# Altium PCB Rus.PcbDoc (part 2 of 2)
Units mm, origin at the board's own origin, x right, y up, seen from the top; angles counter-clockwise.
Board outline 112 x 76 mm, 4 copper layers (Top Layer, L2_GND, L3_PWR, Bottom Layer), stack 2.114 mm thick; 111 components, 58 nets, 348 pads, 197 vias.
Unrouted connection lines stored in the file: 1.
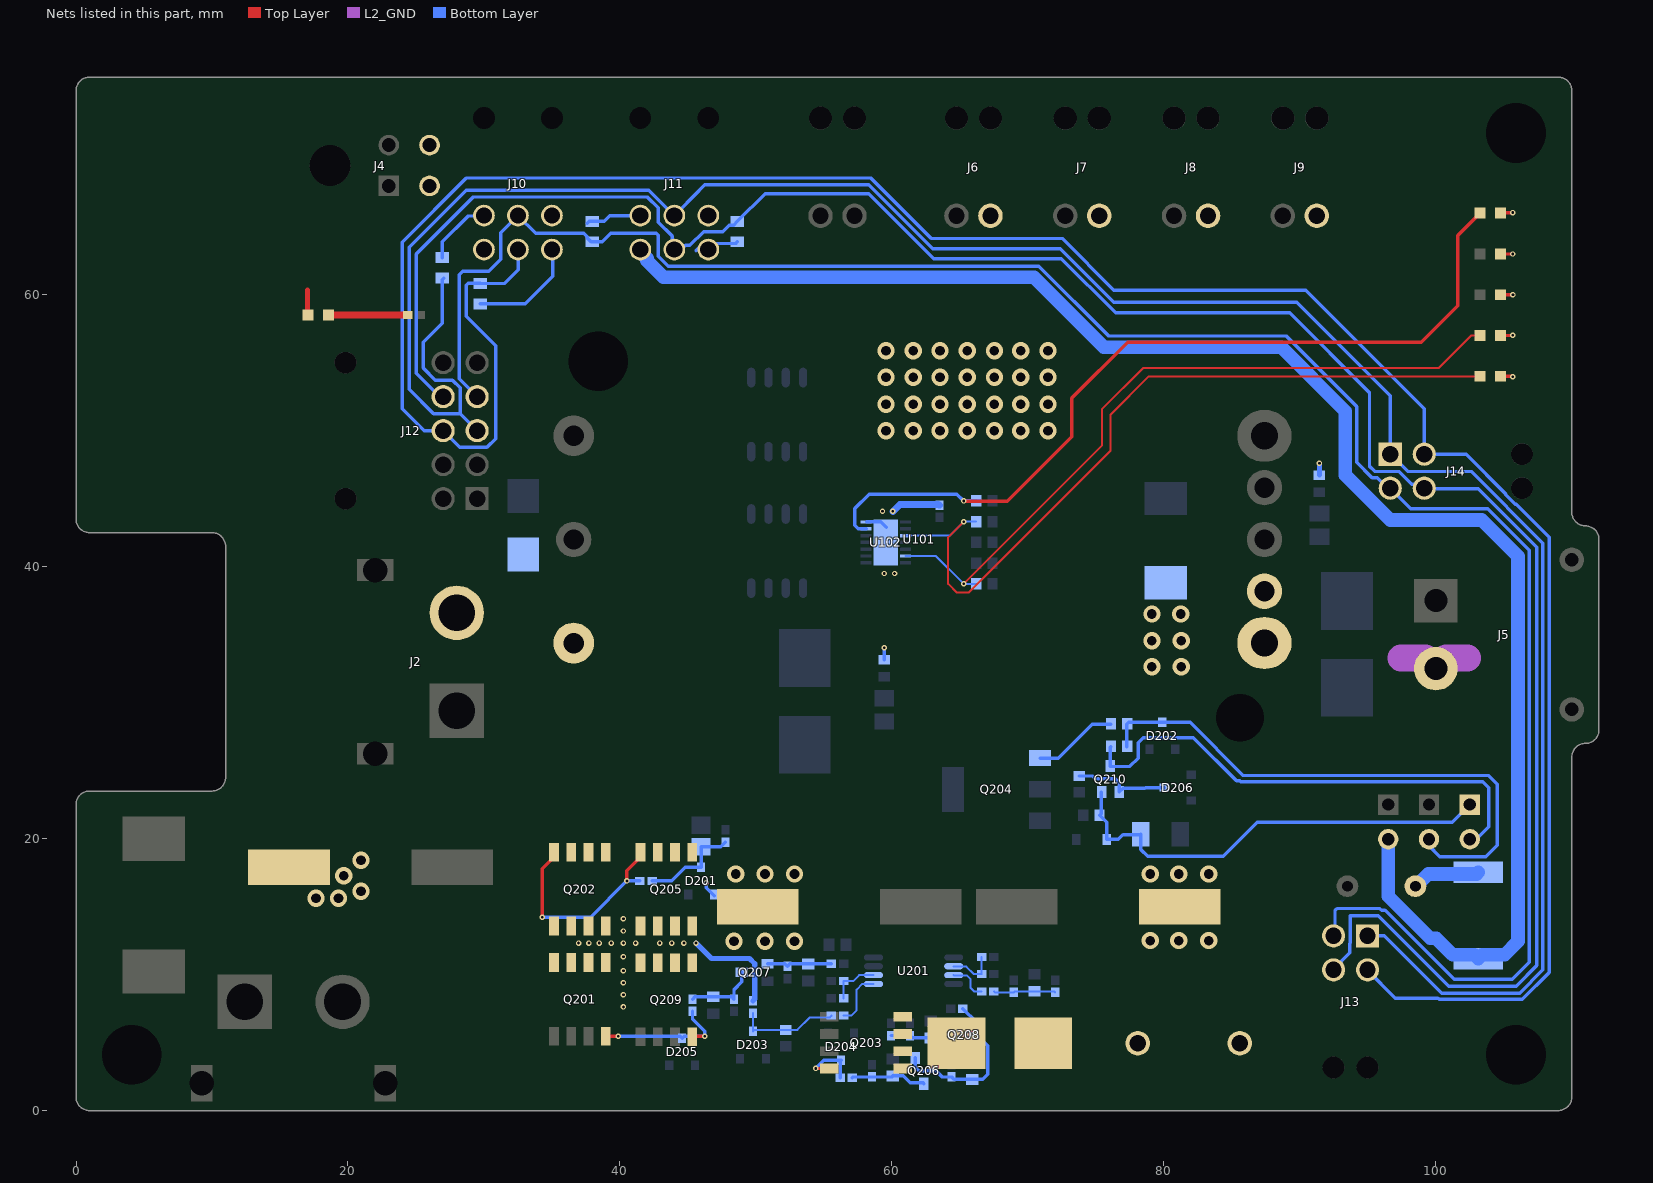
[diagram p4: the nets of this part, all layers, seen from the top]

## Via types
v1: diameter 1.27, hole 0.711, Top Layer to Bottom Layer, 137 vias
v2: diameter 0.4, hole 0.2, Top Layer to Bottom Layer, 60 vias

## Nets (pads, with @x,y where several pads share a name; then routed paths per layer and width w, separated by ;. In a path a pad name is that pad's centre, name@x,y a point inside that pad or via, vN(x,y) a via of type N, cw(c..) or ccw(c..) an arc to the next point about the centre after c; other vN are vias at no path point) (continued)
GND: C103.2 D101.2 D104.1 D105.1 D106.1 D107.1 D108.1 D201.1 J2.2 J5.2 Q202.1 Q202.2 Q202.3 Q205.1 Q205.2 Q205.3 R111.1 R112.1 R113.1 U101.3 U102.7 U102.15 | length 18.3
  Top Layer w0.25: D108.1@104.75,66 104.79,66.04 v2(105.664,66.04) ; D104.1@104.765,54 105.639,54 v2(105.664,53.975) ; D105.1@104.765,57 105.641,57 v2(105.664,57.023) ; D106.1@104.765,60 v2(105.671,60) ; D107.1@104.79,62.992 v2(105.664,62.992)
  L2_GND w2: 97.437,33.274 99.226,33.274 J5.2@100,32.5 100.774,33.274 102.33,33.274
  Bottom Layer w0.25: v2(46.355,16.764) 46.355,16.375 D201.1@46.924,15.806 ; U102.7@58.148,43.3 59.189,43.3 U102.15@59.6,42.889 ; R111.1@59.436,33.137 v2(59.436,34.036)
  Bottom Layer w0.35: R112.1@91.44,46.726 v2(91.44,47.613)
  Bottom Layer w0.508: v2(60.071,44.069) 60.579,44.577 63.442,44.577 R113.1@63.5,44.519
  other v1: 17.653,15.621 19.304,15.621 20.955,16.129 19.685,17.272 20.955,18.415
  other v2: 59.436,39.497 60.198,39.497 59.309,44.069
GND24: C101.2 C102.2 D102.1 J4.3 J4.4 J6.2 J7.2 J8.2 J9.2 J10.6 J11.6 RV101.1 U101.4 U101.5 | length 1.8
  Top Layer w0.35: D102.1@17.018,58.552 17.018,60.355
  other v1: 48.387,12.446 50.673,12.446 52.832,12.446 79,12.5 81.1,12.5 83.3,12.5 48.514,17.399 50.673,17.399 52.832,17.399 79,17.4 81.1,17.4 83.3,17.4 79.121,32.639 81.28,32.639 79.121,34.544 81.28,34.544 79.121,36.521 81.233,36.521 59.569,49.994 61.569,49.994 63.538,49.994 65.538,49.994 67.538,49.994 69.475,49.994 71.475,49.994 59.569,51.948 61.569,51.948 63.538,51.948 65.538,51.948 67.538,51.948 69.475,51.948 71.475,51.948 59.569,53.931 61.569,53.931 63.538,53.931 65.538,53.931 67.538,53.931 69.475,53.931 71.475,53.931 59.569,55.885 61.569,55.885 63.538,55.885 65.538,55.885 67.538,55.885 69.475,55.885 71.475,55.885
LED1_N: J10.4 R3.2 | length 5
  Bottom Layer w0.25: R3.2@26.924,62.726 26.924,63.881 28.829,65.786 J10.4@29.972,65.786
LED1_P: J10.3 R1.1 | length 8.1
  Bottom Layer w0.25: R1.1@29.718,59.321 33.032,59.321 35.052,61.341 J10.3@35.052,63.246
LED2_N: J11.4 R4.2 | length 4.1
  Bottom Layer w0.254: R4.2@37.592,65.254 37.743,65.405 38.843,65.405 39.258,65.82 J11.4@41.495,65.82
LED2_P: J11.3 R2.1 | length 3.3
  Bottom Layer w0.254: 45.593,63.246 46.113,63.766 48.514,63.766 R2.1@48.641,63.893
NetC202_1: C202.1 R205.1 R209.2 R211.2 | length 4.6
  Bottom Layer w0.15: R209.2@67.506,8.763 67.575,8.694 R211.2@68.961,8.694 69.04,8.773 C202.1@70.485,8.773 71.93,8.773 R205.1@72.009,8.694
NetC203_2: C203.2 D207.2 P3.1 Q210.3 R228.1 | length 33.5
  Bottom Layer w0.25: Q210.3@75.396,23.407 75.396,21.837 R228.1@75.276,21.717 75.788,21.204 D207.2@75.788,19.939 76.639,19.939 76.993,20.293 C203.2@78.279,20.293 ; C203.2@78.306,20.32 78.3,20.314 78.3,19.2 78.8,18.7 84.359,18.7 86.868,21.209 101.209,21.209 P3.1@102.5,22.5
NetC206_1: C206.1 Q206.1 Q208.2 R216.2 R219.1 | length 12.1
  Bottom Layer w0.25: Q206.1@61.707,3.871 61.707,3.19 61.976,2.921 63.246,2.921 63.696,2.471 R216.2@64.389,2.471 64.564,2.296 C206.1@65.913,2.296 66.685,2.296 67.056,2.667 67.056,4.76 Q208.2@66.228,5.588 66.228,6.485 R219.1@65.22,7.493
NetC207_1: C207.1 Q207.1 R217.2 R220.1 | length 4.9
  Bottom Layer w0.25: Q207.1@50.861,10.81 52.124,10.81 R217.2@52.324,10.61 52.499,10.785 C207.1@53.848,10.785 53.858,10.795 R220.1@55.557,10.795
NetC208_2: C208.2 Q206.2 R221.2 R223.1 | length 5.6
  Bottom Layer w0.25: R221.2@57.092,2.413 57.15,2.471 R223.1@58.547,2.471 59.992,2.471 C208.2@60.071,2.55 60.823,2.55 61.341,2.032 62.296,2.032 Q206.2@62.357,1.971
NetC209_2: C209.2 Q207.2 R222.2 R224.1 | length 5.4
  Bottom Layer w0.25: R222.2@45.339,8.197 45.514,8.372 C209.2@46.863,8.372 48.212,8.372 R224.1@48.387,8.197 48.387,8.89 48.961,9.464 Q207.2@48.961,10.16
NetC210_1: C210.1 Q208.1 R226.2 R227.1 | length 4.6
  Bottom Layer w0.25: R227.1@59.944,5.519 R226.2@61.341,5.519 61.516,5.344 C210.1@62.865,5.344 63.271,4.938 Q208.1@64.328,4.938
NetD102_2: D102.2 R108.1 | length 5.8
  Top Layer w0.5: D102.2@18.57,58.5 R108.1@24.405,58.5
NetD202_3: D202.3 P2.2 R218.1 R225.2 | length 41
  Bottom Layer w0.25: R218.1@77.281,26.77 R225.2@77.281,28.421 ; R225.2@77.308,28.448 77.419,28.559 D202.3@79.883,28.559 81.931,28.559 85.852,24.638 103.886,24.638 104.521,24.003 104.521,19.521 103.669,18.669 100.291,18.669 P2.2@99.5,19.46
NetD203_3: D203.3 R207.1 R210.2 R213.2 | length 7.6
  Bottom Layer w0.15: R207.1@49.784,7.17 D203.3@49.784,5.826 49.892,5.934 R213.2@52.197,5.934 53.051,5.934 53.975,6.858 55.43,6.858 R210.2@55.557,6.985
NetD206_3: D206.3 Q210.1 R204.2 | length 7.3
  Bottom Layer w0.25: R204.2@73.787,24.603 74.783,24.603 74.973,24.413 76.425,24.413 76.723,24.115 Q210.1@76.723,23.434 77.003,23.714 78.613,23.714 78.648,23.749 D206.3@80.026,23.749
NetF2_2: F2.2 RT201.1 | length 0
  Top Layer w0.25: RT201.1@78.089,4.953 RT201.1@78.105,4.953
NetP3_2: P3.2 Q210.2 R218.2 | length 37.3
  Bottom Layer w0.25: R218.2@76.081,26.77 76.046,26.735 76.046,25.307 77.504,25.307 78.105,25.908 78.105,27.051 78.486,27.432 82.169,27.432 85.344,24.257 85.592,24.257 85.664,24.185 103.45,24.185 103.9,23.735 103.9,20.86 P3.2@102.5,19.46
NetQ204_1: Q204.1 R225.1 | length 6.2
  Bottom Layer w0.25: Q204.1@70.891,25.922 72.222,25.922 74.721,28.421 R225.1@76.081,28.421
NetR5_1: R5.1 RT1.2 | length 5
  Bottom Layer w1: RT1.2@98.542,16.5 99.441,17.399 103.005,17.399 R5.1@103.124,17.518
PC_G: D204.3 Q203.4 R221.1 | length 4.4
  Top Layer w0.25: v2(54.4,3.1) 54.405,3.095 Q203.4@55.386,3.095
  Bottom Layer w0.25: v2(54.4,3.1) 54.999,3.699 D204.3@56.261,3.699 56.192,3.63 R221.1@56.192,2.413
PC_MID: F2.1 Q203.5 Q203.6 Q203.7 Q203.8
PRECHARGE: Q201.5 Q201.6 Q201.7 Q201.8 Q202.5 Q202.6 Q202.7 Q202.8 Q205.5 Q205.6 Q205.7 Q205.8 Q209.5 Q209.6 Q209.7 Q209.8 R207.2 RT201.2 | length 7.7
  Bottom Layer w0.381: v2(45.593,12.319) 46.736,11.176 49.53,11.176 49.911,10.795 49.911,8.197 R207.2@49.784,8.07
  other v2: 40.259,7.62 40.259,8.509 40.259,9.398 40.259,10.287 40.259,11.303 36.957,12.319 37.719,12.319 38.481,12.319 39.37,12.319 40.259,12.319 41.148,12.319 42.926,12.319 43.815,12.319 44.704,12.319 40.259,13.208 40.259,14.097
PT_+: R210.1 U201.5 | length 4
  Bottom Layer w0.15: R210.1@56.457,6.985 57.023,6.985 57.404,7.366 57.404,8.89 57.826,9.312 U201.5@58.645,9.312
PT_-: R208.1 R214.2 U201.6 | length 3.6
  Bottom Layer w0.15: R214.2@56.457,8.255 R208.1@56.457,9.525 57.15,9.525 57.587,9.962 U201.6@58.645,9.962
PT_G: D205.3 Q201.4 Q209.4 R222.1 | length 10.6
  Top Layer w0.25: Q201.4@38.989,5.29 39.16,5.461 v2(39.878,5.461) ; Q209.4@45.339,5.366 45.434,5.461 v2(46.228,5.461)
  Bottom Layer w0.25: v2(39.878,5.461) 44.434,5.461 D205.3@44.577,5.318 44.72,5.461 v2(46.228,5.461) 46.228,5.842 45.339,6.731 R222.1@45.339,7.297
PWRFLT1: D105.2 R104.1 U102.13 | length 53.1
  Top Layer w0.15: v2(65.278,38.735) 75.438,48.895 75.438,51.562 78.486,54.61 100.203,54.61 102.593,57 D105.2@103.25,57
  Bottom Layer w0.15: U102.13@61.015,40.783 63.23,40.783 v2(65.278,38.735) R104.1@66.202,38.735
PWRFLT2: D104.2 R102.1 U102.10 | length 58.2
  Top Layer w0.15: v2(65.278,43.307) 64.135,42.164 64.135,38.735 64.77,38.1 65.659,38.1 76.073,48.514 76.073,51.181 78.892,54 D104.2@103.25,54
  Bottom Layer w0.15: U102.10@61.015,42.283 64.254,42.283 v2(65.278,43.307) R102.1@66.202,43.307
RC_+: R209.1 U201.3 | length 2.9
  Bottom Layer w0.15: U201.3@64.545,9.962 64.565,9.942 65.496,9.942 65.786,9.652 65.786,9.017 66.04,8.763 R209.1@66.606,8.763
RC_-: R206.1 R212.2 U201.2 | length 3.6
  Bottom Layer w0.15: U201.2@64.545,10.612 64.565,10.592 65.481,10.592 66.04,10.033 R212.2@66.606,10.033 R206.1@66.606,11.303
RTN1: J11.5 J12.3 J13.1 J14.1 R3.1 | length 176.6
  Bottom Layer w0.25: R3.1@27.051,61.214 26.924,61.087 26.924,57.912 25.527,56.515 25.527,54.61 26.416,53.721 27.686,53.721 28.243,53.164 28.243,51.257 ; J12.3@29.5,50 28.243,51.257 ; 105.791,8.634 105.793,8.632 106.168,8.632 107.878,10.342 107.878,41.728 102.606,47 97.92,47 J14.1@96.65,48.27 96.65,52.575 89.789,59.436 76.327,59.436 72.39,63.373 62.998,63.373 58.299,68.072 46.228,68.072 45.842,67.686 45.842,67.662 J11.5@44,65.82 42.129,67.691 28.702,67.691 24.511,63.5 24.511,53.035 26.289,51.257 28.243,51.257
  Bottom Layer w0.254: J13.1@94.615,12.85 94.592,12.85 J13.1@94.742,12.7 ; J13.1@94.742,12.85 J13.1@94.98,12.85 96.213,12.85 100.429,8.634 105.791,8.634
RTN2: J10.5 J12.4 J13.2 J14.2 R4.1 | length 154.4
  Bottom Layer w0.25: J12.4@29.5,52.5 28.194,53.806 28.194,61.468 28.448,61.722 30.353,61.722 31.242,62.611 31.242,64.562 J10.5@32.5,65.82 33.804,64.516 37.35,64.516 37.598,64.268 37.598,64.168 37.873,63.893 R4.1@37.973,63.893 ; R4.1@37.973,63.905 38.711,63.905 39.322,64.516 42.675,64.516 42.821,64.37 42.821,62.832 43.55,62.103 70.796,62.103 75.936,56.962 88.989,56.962 94.173,51.778 94.173,47.68 95.306,46.547 95.694,46.547 96.471,45.77 J14.2@96.65,45.77 98.158,44.262 103.814,44.262 106.862,41.214 106.862,41.121 106.873,41.11 106.873,10.913 105.612,9.652 101.346,9.652 96.266,14.732 96.018,14.732 95.891,14.859 92.729,14.859 92.583,14.713 92.583,12.953 J13.2@92.48,12.85
STO1: J10.2 J12.8 J13.3 J14.3 R1.2 | length 184.7
  Bottom Layer w0.25: R1.2@29.718,60.821 31.484,60.821 32.512,61.849 J10.2@32.512,63.246 ; R1.2@29.718,60.833 28.848,60.833 28.702,60.687 28.702,58.42 30.861,56.261 30.861,49.403 30.226,48.768 28.232,48.768 J12.8@27,50 25.6,50 24.003,51.597 24.003,63.868 28.715,68.58 58.432,68.58 62.877,64.135 72.517,64.135 76.327,60.325 90.424,60.325 99.15,51.599 J14.3@99.15,48.27 102.225,48.27 105.151,45.344 105.151,45.282 105.842,44.591 105.904,44.591 108.331,42.164 108.331,10.154 106.356,8.179 100.24,8.179 100.164,8.255 97.028,8.255 94.98,10.303 J13.3@94.98,10.35
STO2: J11.2 J12.9 J13.4 J14.4 R2.2 | length 165.7
  Bottom Layer w0.25: J12.9@27,52.5 26.748,52.5 25.019,54.229 25.019,62.992 29.21,67.183 42.018,67.183 42.821,66.38 42.821,65.332 43.835,64.317 43.835,63.944 44.136,63.643 44.323,63.643 J11.2@44,63.32 ; J11.2@44.323,63.578 44.773,63.578 44.821,63.627 45.14,63.627 46.154,64.641 47.556,64.641 48.033,65.118 48.366,65.118 R2.2@48.641,65.393 50.685,67.437 58.293,67.437 63.074,62.656 72.466,62.656 76.448,58.674 89.253,58.674 95.123,52.804 95.123,47.371 95.494,47 97.272,47 98.225,46.047 98.873,46.047 99.2,45.72 103.124,45.72 107.425,41.419 107.425,10.668 105.901,9.144 100.965,9.144 95.775,14.334 93.709,14.334 93.709,12.341 93.658,12.29 93.658,11.616 92.48,10.438 J13.4@92.48,10.35
VCAP_RP: C201.1 D201.3 R201.1 R202.1 | length 7.5
  Bottom Layer w0.25: R202.1@42.36,16.891 43.815,16.891 44.815,17.891 D201.3@45.974,17.891 C201.1@45.974,19.393 47.402,19.393 R201.1@47.752,19.743
VDD_24_STO: J10.1 J11.1 P1.2 R5.2 | length 121
  Bottom Layer w1: J11.1@41.275,63.373 41.285,63.373 41.993,62.665 41.993,62.489 43.207,61.275 70.452,61.275 75.593,56.134 88.646,56.134 93.345,51.435 93.345,46.736 96.647,43.434 103.378,43.434 106.045,40.767 106.045,12.446 105.067,11.468 103.424,11.468 R5.2@103.124,11.168 102.824,11.468 101.232,11.468 100.02,12.68 99.588,12.68 96.5,15.768 P1.2@96.5,19.46
VDSFLT: D108.2 R107.1 U102.6 | length 63.2
  Top Layer w0.254: v2(65.278,44.831) 65.309,44.8 68.473,44.8 73.229,49.556 73.229,52.401 77.343,56.515 98.933,56.515 101.6,59.182 101.6,64.35 D108.2@103.25,66
  Bottom Layer w0.254: U102.6@58.111,42.783 57.524,42.783 57.277,43.03 57.277,44.277 58.339,45.339 64.77,45.339 v2(65.278,44.831) R107.1@66.202,44.831
VGATE_RP: Q202.4 Q205.4 R202.2 | length 15.9
  Top Layer w0.25: v2(34.29,14.224) 34.29,17.78 35.149,18.639 Q202.4@35.149,18.997 ; v2(40.513,16.891) 40.513,17.653 41.514,18.654 Q205.4@41.514,18.997
  Bottom Layer w0.25: v2(34.29,14.224) 37.846,14.224 v2(40.513,16.891) R202.2@41.46,16.891
pads on no net: 2.1 D201.2 D202.2 D203.2 D204.2 D205.2 D206.2 J1.21 J2.21 J3.SH J4.M1 J5.21 J6.SH J7.SH J8.SH J9.SH J10.14 J10.15 J11.14 J11.15 J12.1 J12.2 J12.5 J12.6 J12.7 J12.10 J12.11 J12.12 J13.5 J13.6 J14.5 J14.6 MP1.1 MP3.1 MP4.1 U101.0 U101.2 U101.6

## Polygon pours and split planes (outlines as drawn)
NetF2_2 on Top Layer "Pol_NetF2_2" (solid, pour order 148): 69.4,8 79.5,8 80,7.518 80,2.482 79.5,2 69.4,2
PC_MID on Top Layer "NONET_L-01_P-001" (solid, pour order 147): 56.9,7.5 57.4,8 66.5,8 66.982,7.518 66.982,2.482 66.5,2 57.4,2 56.9,2.5
GND24 on Top Layer "NONET_L-01_P-001" (solid, pour order 159): 55.88,57.785 55.88,50.165 56.769,49.276 71.755,49.276 72.39,49.911 72.39,52.959 76.581,57.15 98.425,57.15 100.33,59.055 100.33,74.803 99.695,75.438 16.256,75.438 15.24,74.422 15.24,60.96 16.256,59.944 53.721,59.944
48V on Top Layer "NONET_L-01_P-001" (solid, pour order 130): 12.827,20.193 24.257,20.193 26.416,22.352 33.528,22.352 34.163,22.987 34.163,31.496 33.02,32.639 12.954,32.639 11.938,31.623 11.938,23.749 10.668,22.479 1.508,22.479 1,21.971 1,15.764 1.524,15.24 11.176,15.24 11.811,15.875 11.811,19.177
BAT+_RAW on Top Layer "NONET_L-01_P-001" (solid, pour order 128): 15.875,5.08 15.24,4.445 7.747,4.445 5.08,7.112 2.159,7.112 1,8.271 1,13.573 1.524,14.097 12.7,14.097 12.954,13.843 15.24,13.843 15.875,13.208
24V on Top Layer "NONET_L-01_P-001" (solid, pour order 156): 90.17,43.815 90.805,44.45 90.805,51.943 90.17,52.578 79.248,52.578 77.47,50.8 77.47,45.212 78.867,43.815
BAT- on Top Layer "NONET_L-01_P-001" (solid, pour order 146): 43.053,5.969 44.196,5.969 44.45,5.715 44.45,4.699 44.704,4.445 45.974,4.445 46.482,4.953 46.482,10.414 46.99,10.922 56,10.922 83.947,10.922 84.836,11.811 84.836,18.034 84.074,18.796 82.042,18.796 81.788,19.05 81.788,20.193 82.042,20.447 84.582,20.447 86.36,18.669 86.36,10.287 84.582,8.509 56.896,8.509 56,7.493 56,4 54.356,4 53.975,3.556 53.975,1.27 53.34,0.635 25.146,0.635 24.384,1.397 24.384,3.556 23.749,4.191 23.749,4.95 25.912,7.112 33.528,7.112 34.544,6.096 37.719,6.096 38.1,5.715 38.1,4.699 38.354,4.445 39.751,4.445 40.386,5.08 40.386,5.715 40.64,5.969 41.529,5.969
PRECHARGE on Top Layer "NONET_L-01_P-001" (solid, pour order 125): 45.847,16.256 34.795,16.256 34.795,6.985 45.847,6.985
FETSOURCE2 on Top Layer "NONET_L-01_P-001" (solid, pour order 157): 84.963,21.463 85.979,20.447 91.313,20.447 95.123,24.257 96.012,24.257 97.155,25.4 97.155,29.21 96.52,29.845 78.105,29.845 73.914,34.036 62.992,34.036 52.197,44.831 52.197,49.022 53.975,50.8 53.975,57.15 52.705,58.42 47.625,58.42 45.085,55.88 45.085,40.821 48.641,37.185 48.641,33.909 61.087,21.463
GND24 on Top Layer "NONET_L-01_P-001" (solid, pour order 142): 46.863,12.192 47.255,11.8 53.583,11.8 54.102,12.319 54.102,17.526 53.528,18.1 47.31,18.1 46.863,17.653
BAT- on Top Layer "NONET_L-01_P-001" (solid, pour order 123): 44.45,6.013 44.45,2.413 44.069,2.032 41.467,2.032 41.148,2.351 41.148,6.013 41.848,6.013 41.848,5.313 42.448,5.313 42.448,6.013 43.048,6.013 43.048,5.313 43.748,5.313 43.748,6.013
48V_OUT on Top Layer "NONET_L-01_P-001" (solid, pour order 126): 24.511,18.923 26.924,21.336 32.512,21.336 33.147,20.701 33.147,15.748 32.512,15.113 24.892,15.113 24.511,15.494
24V on Top Layer "NONET_L-01_P-001" (solid, pour order 145): 65.059,12.4 65.659,11.8 72.959,11.8 73.559,12.4 73.559,17.5 72.959,18.1 65.659,18.1 65.059,17.5
24V on Top Layer "NONET_L-01_P-001" (solid, pour order 144): 58.928,12.319 59.447,11.8 65.7,11.8 66.3,12.4 66.3,17.5 65.7,18.1 59.375,18.1 58.928,17.653
GND24 on Top Layer "NONET_L-01_P-001" (solid, pour order 155): 90.17,40.132 90.805,39.497 90.805,32.385 90.17,31.75 78.74,31.75 77.47,33.02 77.47,38.989 78.613,40.132
GND24 on Top Layer "NONET_L-01_P-001" (solid, pour order 143): 77,12.4 77.6,11.8 83.555,11.8 84.201,12.446 84.201,17.526 83.627,18.1 77.6,18.1 77,17.5
BAT- on Top Layer "NONET_L-01_P-001" (solid, pour order 129): 18.161,4.064 23.876,4.064 24.257,3.683 32.766,3.683 33.909,4.826 33.909,13.589 33.398,14.1 17.529,14.1 16.891,13.462 16.891,5.334
GND on Top Layer "NONET_L-01_P-001" (solid, pour order 127): 12.762,19.177 21.336,19.177 21.717,18.796 21.717,15.24 21.336,14.859 13.462,14.859 12.762,15.559
BAT- on Top Layer "NONET_L-01_P-001" (solid, pour order 124): 38.1,6.06 38.1,2.546 37.514,1.96 35.314,1.96 34.798,2.476 34.798,6.06 35.514,6.06 35.514,5.36 36.114,5.36 36.114,6.06 36.714,6.06 36.714,5.36 37.414,5.36 37.414,6.06
GND on Top Layer "NONET_L-01_P-001" (solid, pour order 122): 46.355,18.288 47.625,19.558 47.625,36.703 44.069,40.259 44.069,44.323 43.434,44.958 32.639,44.958 30.988,43.307 25.146,43.307 24.257,42.418 24.257,34.544 25.146,33.655 33.528,33.655 35.179,32.004 35.179,20.955 36.703,19.431 40.005,19.431 40.894,20.32 42.037,20.32 42.418,19.939 42.418,18.288
GND on Top Layer "NONET_L-01_P-001" (solid, pour order 121): 39.896,18.288 40.513,18.905 40.513,21.209 38.735,22.987 36.576,22.987 36.068,22.479 36.068,18.288 37.995,18.288
48V_IN_2 on Bottom Layer "NONET_L-01_P-001" (solid, pour order 141): 94.46,42.7 95.66,41.5 102.136,41.5 103.886,39.754 103.886,35.886 102.925,34.925 91.186,34.925 90.7,35.411 90.7,42.3 91.1,42.7
FETSOURCE2 on Bottom Layer "NONET_L-01_P-001" (solid, pour order 140): 90.17,32.131 91.313,33.274 96.647,33.274 97.282,32.639 97.282,26.035 96.647,25.4 90.805,25.4 90.17,26.035
48V on Bottom Layer "NONET_L-01_P-001" (solid, pour order 137): 68.199,23.114 71.628,23.114 71.628,24.257 68.58,24.257 63.837,29 50.082,29 49.53,28.448 49.53,26.156 48.895,25.535 48.895,21.209 49.784,20.32 65.405,20.32
FETSOURCE1 on Bottom Layer "NONET_L-01_P-001" (solid, pour order 135): 56.5,31.8 55.9,31.2 51.1,31.2 50.6,31.7 50.6,38.8 51.1,39.3 55,39.3 56.5,37.8
BAT- on Bottom Layer "NONET_L-01_P-001" (solid, pour order 172): 80.518,26.924 80.518,25.146 80.899,24.765 80.899,23.114 80.645,22.86 79.502,22.86 78.232,22.86 78.232,22.225 78.486,21.971 80.264,21.971 80.645,21.59 80.645,19.558 81.026,19.177 83.566,19.177 83.82,19.431 83.82,24.638 81.534,26.924
48V_OUT on Bottom Layer "NONET_L-01_P-001" (solid, pour order 131): 29.845,16.129 30.734,15.24 37.211,15.24 48.5,26.529 48.5,39.991 51.009,42.5 54.057,42.5 54.61,43.053 54.61,50.419 54.029,51 32,51 31.5,50.5 31.5,44.5 32,44 37.661,44 40.005,41.656 40.005,30.861 29.845,20.701
BAT- on Bottom Layer "NONET_L-01_P-001" (solid, pour order 133): 24.003,4 24.384,3.619 24.384,1.397 25.146,0.635 42.037,0.635 42.418,1.016 42.418,4.318 41.91,4.826 39.37,4.826 38.989,5.207 38.989,11.049 38.227,11.811 34.798,11.811 32.506,14.103 17.532,14.103 16.891,13.462 16.891,5.334 18.225,4
48V on Bottom Layer "NONET_L-01_P-001" (solid, pour order 171): 19.558,19.304 27.051,19.304 34.163,26.416 34.163,31.496 33.02,32.639 12.954,32.639 11.938,31.623 11.938,23.749 10.668,22.479 1.905,22.479 1,21.574 1,15.764 1.651,15.113 15.367,15.113
48V_OUT on Bottom Layer "NONET_L-01_P-001" (solid, pour order 154): 68.58,45.212 69.084,44.704 69.084,36.572 68.707,36.195 67.437,36.195 67.056,36.576 67.056,45.212
GND24 on Bottom Layer "NONET_L-01_P-001" (solid, pour order 167): 58.547,46.99 59.309,46.228 69.215,46.228 70.104,45.339 70.104,31.877 71.12,30.861 87.376,30.861 89.535,33.02 89.535,38.862 88.265,40.132 80.518,40.132 77.343,43.307 77.343,52.197 71.755,57.785 59.436,57.785 58.547,56.896
GND on Bottom Layer "NONET_L-01_P-001" (solid, pour order 153): 58.801,44.577 59.055,44.831 60.198,44.831 60.452,44.577 60.452,38.989 60.198,38.735 59.055,38.735 58.801,38.989
24V on Bottom Layer "NONET_L-01_P-001" (solid, pour order 152): 88.773,43.815 90.17,45.212 90.17,51.181 88.773,52.578 79.248,52.578 78.232,51.562 78.232,44.45 78.867,43.815
11V3 on Bottom Layer "NONET_L-01_P-001" (solid, pour order 150): 71.501,21.59 71.755,21.336 71.755,19.431 71.247,18.923 68.453,18.923 67.945,19.431 67.945,20.701 68.834,21.59
GND on Bottom Layer "NONET_L-01_P-001" (solid, pour order 139): 33.528,33.655 25.146,33.655 24.257,34.544 24.257,41.148 25.146,42.037 37.211,42.037 38.989,40.259 38.989,32.639 38.354,32.004 35.179,32.004
48V on Bottom Layer "NONET_L-01_P-001" (solid, pour order 138): 25.6,26.4 25,27 25,31.7 25.6,32.3 33.012,32.3 33.612,31.7 33.612,26.9 33.112,26.4
FETSOURCE2 on Bottom Layer "NONET_L-01_P-001" (solid, pour order 136): 51.816,58.42 52.5,57.736 52.5,52.9 52.03,52.43 47.4,52.43 47,52.83 47,57.795 47.625,58.42
BAT+_RAW on Bottom Layer "NONET_L-01_P-001" (solid, pour order 134): 1.597,14.097 1,13.5 1,9.1 1.8,8.3 6.2,8.3 10,4.5 15.168,4.5 15.875,5.207 15.875,13.335 15.113,14.097 11.684,14.097
BAT- on L2_GND "NONET_L-01_P-001" (solid, pour order 168): 16.256,14.859 17.145,13.97 28.702,13.97 28.702,10.795 54.737,10.795 54.737,14.605 57.912,14.605 57.912,10.795 68.58,10.795 68.58,0.635 8.89,0.635 8.89,22.86 10.795,22.86 11.684,23.749 11.684,42.291 10.795,43.18 1.016,43.18 0.635,43.561 0.635,74.803 1.27,75.438 68.58,75.438 68.58,62.23 17.907,62.23 17.907,21.336 16.256,19.685
GND on L2_GND "NONET_L-01_P-001" (solid, pour order 158): 16.891,15.24 17.526,14.605 29.337,14.605 29.337,11.43 46.736,11.43 46.736,33.02 60.96,33.02 60.96,41.275 92.71,41.275 92.71,29.464 109.347,29.464 109.347,74.93 108.839,75.438 69.215,75.438 69.215,61.595 18.542,61.595 18.542,20.955 16.891,19.304
GND24 on L2_GND "NONET_L-01_P-001" (solid, pour order 160): 109.22,1.27 108.585,0.635 69.215,0.635 69.215,11.43 58.547,11.43 58.547,15.24 54.102,15.24 54.102,11.43 47.371,11.43 47.371,32.385 61.595,32.385 61.595,40.64 92.075,40.64 92.075,28.829 109.22,28.829
24V on L3_PWR "NONET_L-01_P-001" (solid, pour order 166): 1.651,44.069 1.27,44.45 1.27,74.041 1.905,74.676 108.585,74.676 108.585,8.255 77.47,8.255 77.47,22.86 67.564,22.86 67.564,18.415 72.39,18.415 72.39,11.938 57.658,11.938 57.658,30.988 44.577,44.069
48V on L3_PWR "NONET_L-01_P-001" (solid, pour order 164): 1.27,12.954 6.096,12.954 8.001,11.049 8.001,1.27 22.352,1.27 35.306,1.27 35.306,12.446 38.227,15.367 56.515,15.367 56.515,30.607 44.069,43.053 12.065,43.053 12.065,23.749 10.922,22.606 1.905,22.606 1.27,21.971
PRECHARGE on L3_PWR "NONET_L-01_P-001" (solid, pour order 163): 38.735,14.351 36.322,11.938 36.322,1.27 104.14,1.27 104.14,7.62 49.911,7.62 49.911,14.351
11V3 on L3_PWR "NONET_L-01_P-001" (solid, pour order 161): 50.546,14.097 50.546,11.303 50.546,8.255 76.835,8.255 76.835,22.225 68.199,22.225 68.199,19.05 73.025,19.05 73.025,11.303 56.896,11.303 56.896,14.097

## Keep-outs
Keep-Out Layer:
  the board outline again, w0.2

## Silkscreen, mask and mechanical layers (free items; w line width, h text height)
Top Overlay:
  lines w0.152: 50,59 50,59
  text "WSTO" at 37.338,75.182 h1.52 r270
  text "STO BUT" at 48.895,75.184 h1.52 r270
  text "BAT DC" at 59.563,75.184 h1.52 r270
  text "24V OUT" at 93.472,75.184 h1.52 r270
  text "NUC 24V" at 1.143,74.549 h1.52 r270
  text "VD" at 106.734,65.5 h1
  text "F1" at 107.067,62.5 h1
  text "F2" at 106.734,59.5 h1
  text "P1" at 107.067,56.5 h1
  text "STO OUT" at 1.016,54.737 h1.52 r270
  text "P2" at 106.734,53.5 h1
  text "48V OUT" at 11.303,37.846 h1.52 r270
  text "P1" at 96,24.8 h1 r270
  text "P2" at 99,24.8 h1 r270
  text "P3" at 102,24.8 h1 r270
  text "Rus" at 105.664,20.574 h1.6 r270
  text "SPARE STO" at 99.044,13.208 h1.4 r270
  text "BAT IN" at 24.254,9.633 h1.52 r270
Bottom Overlay:
  lines w0.152: 39.878,10.16 38.481,10.16 38.481,5.969 47.752,5.969 47.752,6.477 50.546,6.477 50.546,8.255 ; 40.767,10.16 44.958,10.16 44.958,9.144 48.895,9.144 ; 59.309,4.191 57.912,4.191 57.912,1.016 66.548,1.016 66.548,0.254 73.66,0.254 73.668,0.262 73.668,4.326 ; 59.436,4.572 60.706,4.572 ; 63.627,4.572 60.706,4.572 ; 65.532,8.382 63.373,8.382 63.373,7.493 60.706,7.493 60.706,7.112 60.706,4.572 ; 66.167,12.192 65.659,12.192 65.659,8.382 66.04,8.001 66.802,8.001 ; 68.453,11.811 78.359,11.811 ; 69.596,4.318 69.85,4.572 73.676,4.572 73.676,7.626 ; 69.723,7.874 72.644,7.874 72.644,7.626 80.772,7.626 80.772,11.557 80.518,11.811 79.756,11.811 ; 54.356,11.938 54.61,11.938 54.737,11.938 54.737,6.35 57.531,6.35 57.531,13.462 58.674,13.462 58.674,20.32 54.356,20.32 54.356,18.796 54.356,11.938
M6_OUTLINE:
  the board outline again, w0.2
M10_Fab_Note:
  text "Notes: (Unless Otherwise Specified) / 1. General Requirement: /    a. Fabricate to meet IPC-2221, IPC-6011, and IPC-6012 (latest revisions) Class 2, except / where otherwise specified. /    b. Board shall be electrically tested per current revision of IPC 6012 / and IPC 9252 class II. Completed electrical test Boards must be marked / in permanent non-conductive ink next to supplier UL recognition mark. / Use Net Tie Report (if supplied) for identifying deliberate shorts in netlist. /    c. Configuration of the printed circuit board not specifically dimensioned on the / drawing shall be controlled by the gerber data. /    d. PCB fabrication process and materials must be compliant with the Hazardous / Substances(ROHS) Directive and compatible with Pb Free assembly process. / 2. Controlled Impedance Nets: NONE / 3. Material /    a. FR4 based such as 370HR or equivalent. / 4. Surface Finish: /    a. ALL external metal finish not covered by soldermask shall be plate 118-250 / micro-inches of Electroless Nickel and 2 - 8 microinches of Immersion Gold (ENIG) / 5. Thieving pattern shall not be added to PCB unless explicitly approved. / 6. Layer to layer registration shall be within 0.15mm (0.005 in) of gerber data." at -2.159,89.916 h1.52
  text "7. Via: /    Tent vias per Gerber files. / 8. Drilling /    a. All hole symbols may not be shown in the drawing. See Drill chart for details. /    b. Diameters in the drill table are finished hole sizes with +/-0.003\" tolerance unless / otherwise specified in the drill table. / 9. Marking: /    a. Soldermask,photo-imaged liquid polymer on both sides of boards in accordance / with IPC-SM-840, Type B, Class 2, over bare copper. Soldermask color to be GREEN /    b. Component Marking: Silkscreen both sides with non-conductive epoxy ink. / Lands and exposed plated areas to be free of ink. Silk color to be WHITE /    c. Identification: Fab vendor logo and part number with current revision to be etched on the top side. / Silkscreen date code on solder side near part number. Supplier shall not add any text or marking in the copper. / 10. Nets intentionally shorted: / 11. Plating shall be ENIG per IPC-4552 (latest revision). / 12. The materials and process used to fabricate this part are to be consistent with the directive 2011/65/EU restriction of hazardous substances in electrical and electronics equipment (ROHS). the findished part to be accompanied by a / signed certificate of compliance to the directive 2011/65/EU. / 13. If any REACH SVHC’S are utilized in the materials and or process used to fabricate this part, the weight of the SVHC’S must be provided." at 137.541,81.238 h1.52
Drill Drawing:
  circle w0.254: c123.386,30.946 r0.847
  lines w0.254: 122.539,7.239 124.232,7.239 124.232,8.932 122.539,8.932 122.539,7.239 ; 122.539,41.952 122.962,41.952 122.962,41.529 123.809,41.529 123.809,41.952 124.232,41.952 124.232,42.799 123.809,42.799 123.809,43.222 122.962,43.222 122.962,42.799 122.539,42.799 122.539,41.952 ; 122.539,58.462 124.232,58.462 123.386,56.769 122.539,58.462
  lines w0.381: 121.02,6.096 345.848,6.096 ; 121.02,82.296 345.848,82.296 ; 135.012,2.286 135.012,86.106 ; 173.101,2.286 173.101,86.106 ; 191.74,2.286 191.74,86.106 ; 220.941,2.286 220.941,86.106 ; 248.873,2.286 248.873,86.106 ; 261.722,2.286 261.722,86.106 ; 295.596,2.286 295.596,86.106 ; 329.469,2.286 329.469,86.106 ; 121.02,2.286 345.848,2.286 345.848,86.106 121.02,86.106 121.02,2.286
  text "Symbol" at 123.306,83.439 h1.83
  text "Drill Layer Pair" at 136.155,83.439 h1.83
  text "Hole Type" at 174.244,83.439 h1.83
  text "Hole Size" at 192.883,83.439 h1.83
  text "Hole Length" at 222.084,83.439 h1.83
  text "Plated" at 250.016,83.439 h1.83
  text "Hole Tolerance (+)" at 262.865,83.439 h1.83
  text "Hole Tolerance (-)" at 296.739,83.439 h1.83
  text "Count" at 330.612,83.439 h1.83
  text "Top Layer - Bottom Layer" at 136.155,79.629 h1.52
  text "Round" at 174.244,79.629 h1.52
  text "0.200mm (7.87mil)" at 192.883,79.629 h1.52
  text "-" at 222.084,79.629 h1.52
  text "PTH" at 250.016,79.629 h1.52
  text "0.000mm (0.00mil)" at 262.865,79.629 h1.52
  text "0.200mm (7.87mil)" at 296.739,79.629 h1.52
  text "60" at 330.612,79.629 h1.52
  text "A" at 122.567,79.375 h1.69
  text "Top Layer - Bottom Layer" at 136.155,75.819 h1.52
  text "Round" at 174.244,75.819 h1.52
  text "0.711mm (28.00mil)" at 192.883,75.819 h1.52
  text "-" at 222.084,75.819 h1.52
  text "PTH" at 250.016,75.819 h1.52
  text "0.076mm (3.00mil)" at 262.865,75.819 h1.52
  text "0.076mm (3.00mil)" at 296.739,75.819 h1.52
  text "137" at 330.612,75.819 h1.52
  text "B" at 122.567,75.565 h1.69
  text "Top Layer - Bottom Layer" at 136.155,72.009 h1.52
  text "Round" at 174.244,72.009 h1.52
  text "0.800mm (31.50mil)" at 192.883,72.009 h1.52
  text "-" at 222.084,72.009 h1.52
  text "PTH" at 250.016,72.009 h1.52
  text "0.076mm (3.00mil)" at 262.865,72.009 h1.52
  text "0.076mm (3.00mil)" at 296.739,72.009 h1.52
  text "2" at 330.612,72.009 h1.52
  text "C" at 122.567,71.755 h1.69
  text "Top Layer - Bottom Layer" at 136.155,68.199 h1.52
  text "Round" at 174.244,68.199 h1.52
  text "0.900mm (35.43mil)" at 192.883,68.199 h1.52
  text "-" at 222.084,68.199 h1.52
  text "PTH" at 250.016,68.199 h1.52
  text "0.076mm (3.00mil)" at 262.865,68.199 h1.52
  text "0.076mm (3.00mil)" at 296.739,68.199 h1.52
  text "6" at 330.612,68.199 h1.52
  text "D" at 122.567,67.945 h1.69
  text "Top Layer - Bottom Layer" at 136.155,64.389 h1.52
  text "Round" at 174.244,64.389 h1.52
  text "1.000mm (39.37mil)" at 192.883,64.389 h1.52
  text "-" at 222.084,64.389 h1.52
  text "PTH" at 250.016,64.389 h1.52
  text "0.076mm (3.00mil)" at 262.865,64.389 h1.52
  text "0.076mm (3.00mil)" at 296.739,64.389 h1.52
  text "2" at 330.612,64.389 h1.52
  text "E" at 122.567,64.135 h1.69
  text "Top Layer - Bottom Layer" at 136.155,60.579 h1.52
  text "Round" at 174.244,60.579 h1.52
  text "1.020mm (40.16mil)" at 192.883,60.579 h1.52
  text "-" at 222.084,60.579 h1.52
  text "PTH" at 250.016,60.579 h1.52
  text "0.076mm (3.00mil)" at 262.865,60.579 h1.52
  text "0.076mm (3.00mil)" at 296.739,60.579 h1.52
  text "4" at 330.612,60.579 h1.52
  text "F" at 122.567,60.325 h1.69
  text "Top Layer - Bottom Layer" at 136.155,56.769 h1.52
  text "Round" at 174.244,56.769 h1.52
  text "1.200mm (47.24mil)" at 192.883,56.769 h1.52
  text "-" at 222.084,56.769 h1.52
  text "PTH" at 250.016,56.769 h1.52
  text "8" at 330.612,56.769 h1.52
  text "Top Layer - Bottom Layer" at 136.155,52.959 h1.52
  text "Round" at 174.244,52.959 h1.52
  text "1.200mm (47.24mil)" at 192.883,52.959 h1.52
  text "-" at 222.084,52.959 h1.52
  text "PTH" at 250.016,52.959 h1.52
  text "0.076mm (3.00mil)" at 262.865,52.959 h1.52
  text "0.076mm (3.00mil)" at 296.739,52.959 h1.52
  text "34" at 330.612,52.959 h1.52
  text "G" at 122.567,52.705 h1.69
  text "Top Layer - Bottom Layer" at 136.155,49.149 h1.52
  text "Round" at 174.244,49.149 h1.52
  text "1.500mm (59.06mil)" at 192.883,49.149 h1.52
  text "-" at 222.084,49.149 h1.52
  text "PTH" at 250.016,49.149 h1.52
  text "0.076mm (3.00mil)" at 262.865,49.149 h1.52
  text "0.076mm (3.00mil)" at 296.739,49.149 h1.52
  text "6" at 330.612,49.149 h1.52
  text "H" at 122.567,48.895 h1.69
  text "Top Layer - Bottom Layer" at 136.155,45.339 h1.52
  text "Round" at 174.244,45.339 h1.52
  text "1.700mm (66.93mil)" at 192.883,45.339 h1.52
  text "-" at 222.084,45.339 h1.52
  text "PTH" at 250.016,45.339 h1.52
  text "0.076mm (3.00mil)" at 262.865,45.339 h1.52
  text "0.076mm (3.00mil)" at 296.739,45.339 h1.52
  text "12" at 330.612,45.339 h1.52
  text "K" at 122.567,45.085 h1.69
  text "Top Layer - Bottom Layer" at 136.155,41.529 h1.52
  text "Slot" at 174.244,41.529 h1.52
  text "1.800mm (70.87mil)" at 192.883,41.529 h1.52
  text "0.700mm (27.56mil)" at 222.084,41.529 h1.52
  text "PTH" at 250.016,41.529 h1.52
  text "0.076mm (3.00mil)" at 262.865,41.529 h1.52
  text "0.076mm (3.00mil)" at 296.739,41.529 h1.52
  text "4" at 330.612,41.529 h1.52
  text "Top Layer - Bottom Layer" at 136.155,37.719 h1.52
  text "Round" at 174.244,37.719 h1.52
  text "2.000mm (78.74mil)" at 192.883,37.719 h1.52
  text "-" at 222.084,37.719 h1.52
  text "PTH" at 250.016,37.719 h1.52
  text "0.076mm (3.00mil)" at 262.865,37.719 h1.52
  text "0.076mm (3.00mil)" at 296.739,37.719 h1.52
  text "2" at 330.612,37.719 h1.52
  text "M" at 122.567,37.465 h1.69
  text "Top Layer - Bottom Layer" at 136.155,33.909 h1.52
  text "Round" at 174.244,33.909 h1.52
  text "2.700mm (106.30mil)" at 192.883,33.909 h1.52
  text "-" at 222.084,33.909 h1.52
  text "PTH" at 250.016,33.909 h1.52
  text "0.076mm (3.00mil)" at 262.865,33.909 h1.52
  text "0.076mm (3.00mil)" at 296.739,33.909 h1.52
  text "4" at 330.612,33.909 h1.52
  text "N" at 122.567,33.655 h1.69
  text "Top Layer - Bottom Layer" at 136.155,30.099 h1.52
  text "Round" at 174.244,30.099 h1.52
  text "1.600mm (62.99mil)" at 192.883,30.099 h1.52
  text "-" at 222.084,30.099 h1.52
  text "NPTH" at 250.016,30.099 h1.52
  text "4" at 330.612,30.099 h1.52
  text "Top Layer - Bottom Layer" at 136.155,26.289 h1.52
  text "Round" at 174.244,26.289 h1.52
  text "1.600mm (62.99mil)" at 192.883,26.289 h1.52
  text "-" at 222.084,26.289 h1.52
  text "NPTH" at 250.016,26.289 h1.52
  text "0.051mm (2.00mil)" at 262.865,26.289 h1.52
  text "0.051mm (2.00mil)" at 296.739,26.289 h1.52
  text "4" at 330.612,26.289 h1.52
  text "I" at 122.849,26.035 h1.69
  text "Top Layer - Bottom Layer" at 136.155,22.479 h1.52
  text "Slot" at 174.244,22.479 h1.52
  text "1.600mm (62.99mil)" at 192.883,22.479 h1.52
  text "1.750mm (68.90mil)" at 222.084,22.479 h1.52
  text "NPTH" at 250.016,22.479 h1.52
  text "0.051mm (2.00mil)" at 262.865,22.479 h1.52
  text "0.051mm (2.00mil)" at 296.739,22.479 h1.52
  text "2" at 330.612,22.479 h1.52
  text "J" at 122.567,22.225 h1.69
  text "Top Layer - Bottom Layer" at 136.155,18.669 h1.52
  text "Round" at 174.244,18.669 h1.52
  text "3.000mm (118.11mil)" at 192.883,18.669 h1.52
  text "-" at 222.084,18.669 h1.52
  text "NPTH" at 250.016,18.669 h1.52
  text "0.051mm (2.00mil)" at 262.865,18.669 h1.52
  text "0.051mm (2.00mil)" at 296.739,18.669 h1.52
  text "1" at 330.612,18.669 h1.52
  text "P" at 122.567,18.415 h1.69
  text "Top Layer - Bottom Layer" at 136.155,14.859 h1.52
  text "Round" at 174.244,14.859 h1.52
  text "3.500mm (137.79mil)" at 192.883,14.859 h1.52
  text "-" at 222.084,14.859 h1.52
  text "NPTH" at 250.016,14.859 h1.52
  text "0.051mm (2.00mil)" at 262.865,14.859 h1.52
  text "0.051mm (2.00mil)" at 296.739,14.859 h1.52
  text "1" at 330.612,14.859 h1.52
  text "Q" at 122.567,14.605 h1.69
  text "Top Layer - Bottom Layer" at 136.155,11.049 h1.52
  text "Round" at 174.244,11.049 h1.52
  text "4.400mm (173.23mil)" at 192.883,11.049 h1.52
  text "-" at 222.084,11.049 h1.52
  text "NPTH" at 250.016,11.049 h1.52
  text "0.051mm (2.00mil)" at 262.865,11.049 h1.52
  text "0.051mm (2.00mil)" at 296.739,11.049 h1.52
  text "1" at 330.612,11.049 h1.52
  text "R" at 122.567,10.795 h1.69
  text "Top Layer - Bottom Layer" at 136.155,7.239 h1.52
  text "Round" at 174.244,7.239 h1.52
  text "4.400mm (173.23mil)" at 192.883,7.239 h1.52
  text "-" at 222.084,7.239 h1.52
  text "NPTH" at 250.016,7.239 h1.52
  text "3" at 330.612,7.239 h1.52
  text "297 Total" at 330.612,3.429 h1.52
  text "Slot definitions :" at 123.306,-0.253 h1.52
  text "Routed Path Length" at 149.536,-0.253 h1.52
  text "= Calculated from tool start centre position to tool end centre position." at 177.544,-0.253 h1.52
  text "Hole Length" at 149.536,-2.793 h1.52
  text "= Routed Path Length + Tool Size = Slot length as defined in the PCB layout" at 167.134,-2.793 h1.52

## Dimensions
1,75 to -3.302,78.74 on M7_Dimension
0,1 to 112,28 on M7_Dimension
0,43.5 to 11,41.5 on M7_Dimension
1,0 to 1,23.5 on M7_Dimension
1,42.5 to 1,23.5 on M7_Dimension
1,76 to 1,42.5 on M7_Dimension
0,1 to 110,1 on M7_Dimension
109,0 to 111,27 on M7_Dimension
111,27 to 111,43 on M7_Dimension
109,76 to 111,43 on M7_Dimension
1,76 to 1,0 on M7_Dimension

## Text inside footprints (layer, text, board x,y; h text height)
U101: Bottom Overlay "REM" at 41.329,41.537 h1; Bottom Overlay "-VIN" at 42.218,33.663 h1; Bottom Overlay "+VIN" at 42.345,49.157 h1; Bottom Overlay "0V" at 84.797,33.663 h1; Bottom Overlay "+VO" at 85.035,49.284 h1; Bottom Overlay "TRIM" at 84.463,39.989 h1 r270; Bottom Overlay "S-" at 83.986,38.6 h1 r180; Bottom Overlay "S+" at 83.859,46.347 h1 r180